# KiCad board PiEEG.kicad_pcb (continued)
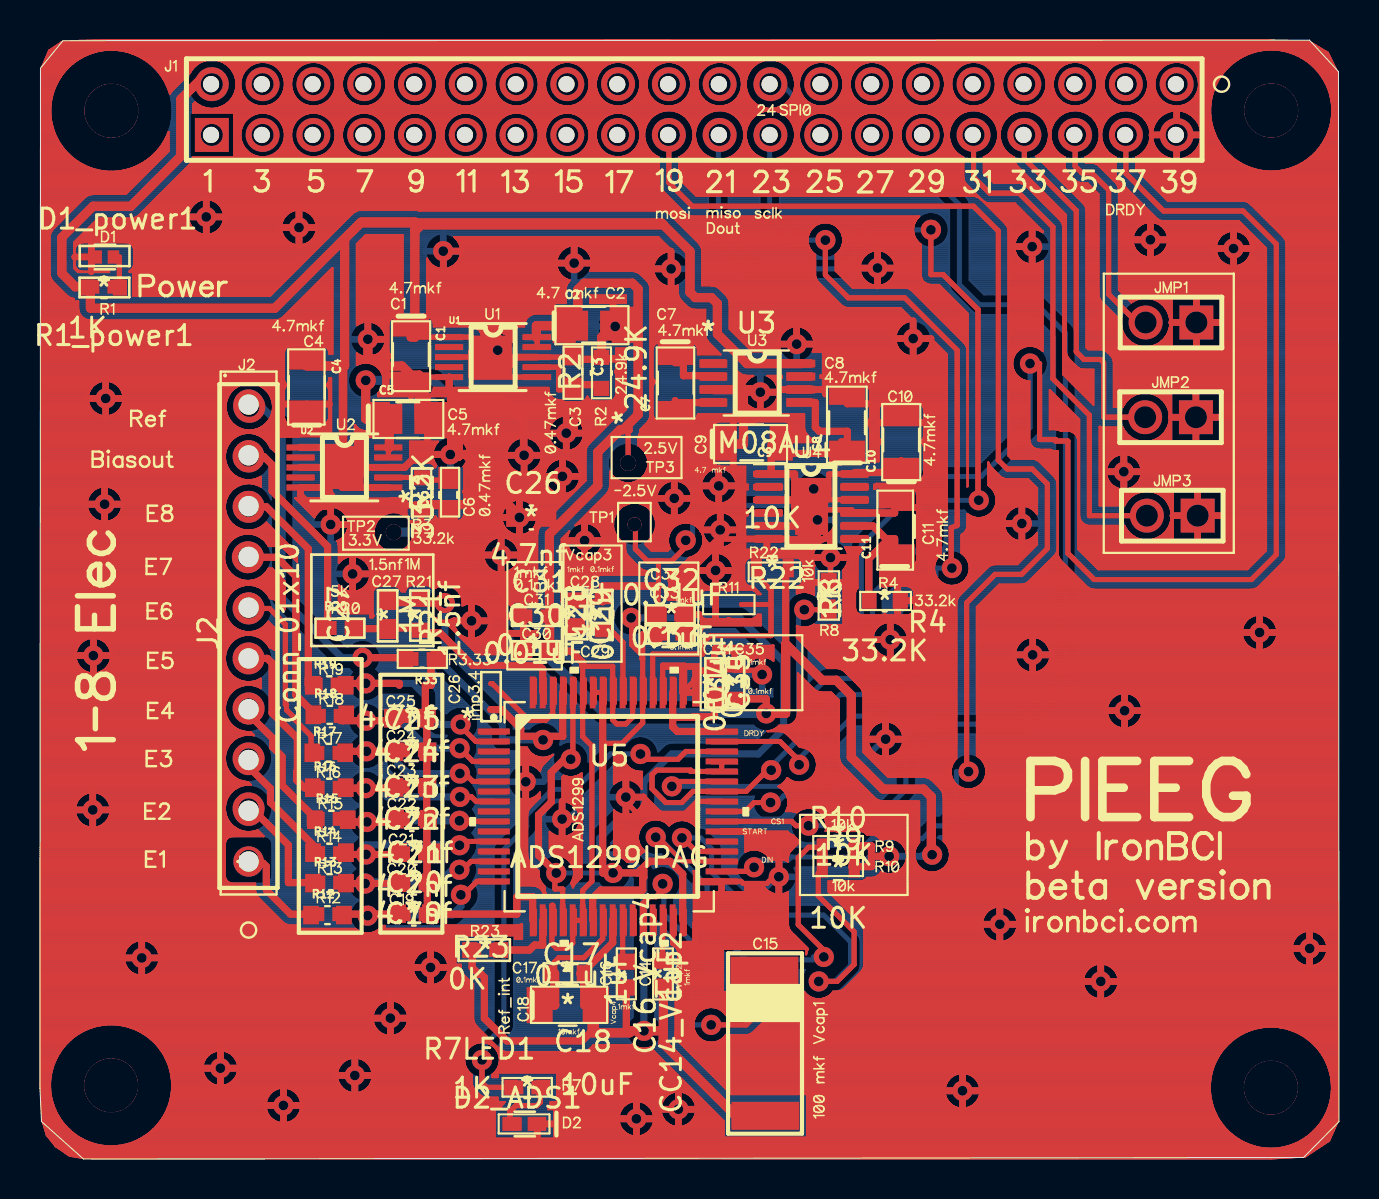
[diagram p0: board, top side]
## Routing (per net, layer and track width the routed paths; a pad name or vN(x,y) marks a point on that pad's centre or on a via; arc(x,y) is an arc through that point) (continued)
16.01,28.46 ; 16.07,28.49 16.01,28.46 ; 39.58,38.81 39.62,38.81 ; 39.58,38.81 39.54,38.8 ; 39.58,38.81 39.62,38.81 ; 39.58,38.81 39.54,38.8 ; 39.62,38.81 40.21,38.81 ; 39.62,38.81 40.21,38.81 ; 24.73,20.19 24.69,20.21 ; 24.73,20.19 24.78,20.16 ; 24.73,20.19 24.78,20.16 ; 24.73,20.19 24.69,20.21 ; 24.69,20.21 24.65,20.24 ; 24.69,20.21 24.65,20.24 ; 21.07,28.16 21.09,28.12 ; 21.07,28.16 21.09,28.12 ; 21.07,28.16 21.05,28.21 ; 21.07,28.16 21.05,28.21 ; 21.09,28.12 21.1,28.07 ; 21.09,28.12 21.1,28.07 ; 18.46,52.7 18.36,52.73 ; 18.46,52.7 18.56,52.68 ; 18.46,52.7 18.36,52.73 ; 18.46,52.7 18.56,52.68 ; 18.36,52.73 18.27,52.77 ; 18.36,52.73 18.27,52.77 ; 29.68,18.91 29.74,18.88 ; 29.68,18.91 29.74,18.88 ; 29.68,18.91 29.61,18.94 ; 29.68,18.91 29.61,18.94 ; 29.74,18.88 29.8,18.85 ; 29.74,18.88 29.8,18.85 ; 34.87,54.47 34.93,54.39 ; 34.87,54.47 34.8,54.54 ; 34.87,54.47 34.8,54.54 ; 34.87,54.47 34.93,54.39 ; 12.31,1.8 12.24,1.79 ; 12.31,1.8 12.24,1.79 ; 12.31,1.8 12.38,1.81 ; 12.31,1.8 12.38,1.81 ; 12.24,1.79 12.17,1.79 ; 12.24,1.79 12.17,1.79 ; 38.69,30.36 38.72,30.43 ; 38.69,30.36 38.67,30.3 ; 38.69,30.36 38.72,30.43 ; 38.69,30.36 38.67,30.3 ; 38.72,30.43 38.74,30.49 ; 38.72,30.43 38.74,30.49 ; 39.33,46.86 39.28,46.86 ; 39.33,46.86 39.28,46.86 ; 51.99,48.84 51.95,48.85 ; 51.99,48.84 52.03,48.83 ; 51.99,48.84 52.03,48.83 ; 51.99,48.84 51.95,48.85 ; 51.95,48.85 51.91,48.86 ; 51.95,48.85 51.91,48.86 ; 47.27,47.87 47.23,47.89 ; 47.27,47.87 47.3,47.85 ; 47.27,47.87 47.3,47.85 ; 47.27,47.87 47.23,47.89 ; 47.23,47.89 47.2,47.91 ; 47.23,47.89 47.2,47.91 ; 56.07,52.19 56.14,52.24 ; 56.07,52.19 56.14,52.24 ; 56.07,52.19 56.01,52.14 ; 56.07,52.19 56.01,52.14 ; 56.14,52.24 56.21,52.28 ; 56.14,52.24 56.21,52.28 ; 61.05,55.46 61.2,55.48 ; 61.05,55.46 60.9,55.43 ; 61.05,55.46 60.9,55.43 ; 61.05,55.46 61.2,55.48 ; 61.2,55.48 61.34,55.5 ; 61.2,55.48 61.34,55.5 ; 35.63,28.47 35.69,28.45 ; 35.63,28.47 35.69,28.45 ; 31.69,52.45 31.79,52.42 ; 31.69,52.45 31.79,52.42 ; 31.79,52.42 31.88,52.39 ; 31.79,52.42 31.88,52.39 ; 38.22,36.66 38.22,37.26 ; 38.22,36.66 38.22,36.57 ; 38.22,36.66 38.22,37.26 ; 38.22,36.66 38.22,36.57 ; 38.22,37.26 36.99,37.26 ; 38.22,37.26 36.99,37.26 ; 29.64,5.72 29.58,5.71 ; 29.64,5.72 29.58,5.71 ; 29.64,5.72 29.7,5.68 ; 29.64,5.72 29.7,5.68 ; 29.58,5.71 29.54,5.71 ; 29.58,5.71 29.54,5.71 ; 25.15,19.71 25.21,19.78 ; 25.15,19.71 25.12,19.68 ; 25.15,19.71 25.21,19.78 ; 25.15,19.71 25.12,19.68 ; 25.21,19.78 25.66,20.23 ; 25.21,19.78 25.66,20.23 ; 62.71,10.14 62.68,10.2 ; 62.71,10.14 62.74,10.07 ; 62.71,10.14 62.74,10.07 ; 62.71,10.14 62.68,10.2 ; 62.68,10.2 62.65,10.27 ; 62.68,10.2 62.65,10.27 ; 54.85,40.7 54.95,40.67 ; 54.85,40.7 54.95,40.67 ; 19.74,50.71 19.69,50.62 ; 19.74,50.71 19.78,50.8 ; 19.74,50.71 19.69,50.62 ; 19.74,50.71 19.78,50.8 ; 19.69,50.62 19.63,50.54 ; 19.69,50.62 19.63,50.54 ; 26.09,27.89 26.11,27.89 ; 26.09,27.89 26.09,31.02 ; 26.09,27.89 26.11,27.89 ; 26.09,27.89 26.09,31.02 ; 26.11,27.89 26.11,28.32 ; 26.11,27.89 26.11,28.32 ; 17.11,6.26 17.05,6.29 ; 17.11,6.26 17.05,6.29 ; 17.11,6.26 17.18,6.23 ; 17.11,6.26 17.18,6.23 ; 17.05,6.29 17,6.33 ; 17.05,6.29 17,6.33 ; 54.22,35.28 54.29,35.27 ; 54.22,35.28 54.29,35.27 ; 54.29,35.27 54.36,35.26 ; 54.29,35.27 54.36,35.26 ; 2.6,37.48 2.56,37.53 ; 2.6,37.48 2.65,37.42 ; 2.6,37.48 2.65,37.42 ; 2.6,37.48 2.56,37.53 ; 33.98,50 33.88,50.01 ; 33.98,50 33.88,50.01 ; 33.98,50 34.08,50 ; 33.98,50 34.08,50 ; 33.88,50.01 33.78,50.02 ; 33.88,50.01 33.78,50.02 ; 50,35.49 49.96,35.49 ; 50,35.49 50.3,35.49 ; 50,35.49 50.3,35.49 ; 50,35.49 49.96,35.49 ; 49.96,35.49 49.92,35.49 ; 49.96,35.49 49.92,35.49 ; 14.45,37.01 14.44,36.98 ; 14.45,37.01 14.46,37.05 ; 14.45,37.01 14.44,36.98 ; 14.45,37.01 14.46,37.05 ; 14.44,36.98 14.42,36.94 ; 14.44,36.98 14.42,36.94 ; 37.54,15.41 37.6,15.48 ; 37.54,15.41 37.51,15.38 ; 37.54,15.41 37.6,15.48 ; 37.54,15.41 37.51,15.38 ; 37.6,15.48 38.02,15.89 ; 37.6,15.48 38.02,15.89 ; 45.6,19.09 45.59,19.13 ; 45.6,19.09 45.62,19.04 ; 45.6,19.09 45.62,19.04 ; 45.6,19.09 45.59,19.13 ; 45.59,19.13 45.58,19.18 ; 45.59,19.13 45.58,19.18 ; 39.47,54.82 39.56,54.78 ; 39.47,54.82 39.37,54.85 ; 39.47,54.82 39.56,54.78 ; 39.47,54.82 39.37,54.85 ; 39.56,54.78 39.65,54.73 ; 39.56,54.78 39.65,54.73 ; 53.91,48.71 53.93,48.68 ; 53.91,48.71 53.89,48.75 ; 53.91,48.71 53.93,48.68 ; 53.91,48.71 53.89,48.75 ; 53.93,48.68 53.94,48.64 ; 53.93,48.68 53.94,48.64 ; 54.61,52.7 54.51,52.68 ; 54.61,52.7 54.51,52.68 ; 54.51,52.68 54.42,52.66 ; 54.51,52.68 54.42,52.66 ; 18.66,9.45 18.65,9.52 ; 18.66,9.45 18.67,9.38 ; 18.66,9.45 18.67,9.38 ; 18.66,9.45 18.65,9.52 ; 18.65,9.52 18.65,9.59 ; 18.65,9.52 18.65,9.59 ; 41.23,16.35 41.28,16.31 ; 41.23,16.35 41.18,16.38 ; 41.23,16.35 41.18,16.38 ; 41.23,16.35 41.28,16.31 ; 41.28,16.31 41.32,16.27 ; 41.28,16.31 41.32,16.27 ; 0.57,4.34 0.61,4.49 ; 0.57,4.34 0.61,4.49 ; 0.57,4.34 0.54,4.19 ; 0.57,4.34 0.54,4.19 ; 0.61,4.49 0.65,4.63 ; 0.61,4.49 0.65,4.63 ; 33.02,6.01 32.98,6.05 ; 33.02,6.01 33.06,5.98 ; 33.02,6.01 32.98,6.05 ; 33.02,6.01 33.06,5.98 ; 32.98,6.05 32.94,6.08 ; 32.98,6.05 32.94,6.08 ; 22.73,31.05 22.8,31.07 ; 22.73,31.05 22.67,31.02 ; 22.73,31.05 22.67,31.02 ; 22.73,31.05 22.8,31.07 ; 22.8,31.07 22.86,31.09 ; 22.8,31.07 22.86,31.09 ; 47.11,32.08 47.06,32.07 ; 47.11,32.08 47.06,32.07 ; 21.73,6.79 21.71,6.83 ; 21.73,6.79 21.71,6.83 ; 14.57,33.55 14.56,33.65 ; 14.57,33.55 14.57,33.51 ; 14.57,33.55 14.56,33.65 ; 14.57,33.55 14.57,33.51 ; 14.56,33.65 14.56,34.04 ; 14.56,33.65 14.56,34.04 ; 41.37,45.3 41.43,45.34 ; 41.37,45.3 41.43,45.34 ; 41.37,45.3 41.32,45.26 ; 41.37,45.3 41.32,45.26 ; 41.43,45.34 41.49,45.37 ; 41.43,45.34 41.49,45.37 ; 13.19,52.24 13.28,52.28 ; 13.19,52.24 13.1,52.19 ; 13.19,52.24 13.28,52.28 ; 13.19,52.24 13.1,52.19 ; 13.28,52.28 13.38,52.31 ; 13.28,52.28 13.38,52.31 ; 36.37,52.46 36.47,52.47 ; 36.37,52.46 36.47,52.47 ; 36.47,52.47 36.57,52.47 ; 36.47,52.47 36.57,52.47 ; 38.78,52.7 38.68,52.73 ; 38.78,52.7 38.68,52.73 ; 38.78,52.7 38.88,52.68 ; 38.78,52.7 38.88,52.68 ; 38.68,52.73 38.59,52.77 ; 38.68,52.73 38.59,52.77 ; 41.53,20.55 41.5,20.61 ; 41.53,20.55 41.5,20.61 ; 41.53,20.55 41.57,20.49 ; 41.53,20.55 41.57,20.49 ; 41.5,20.61 41.47,20.67 ; 41.5,20.61 41.47,20.67 ; 32.9,37.26 32.9,37.2 ; 32.9,37.26 34.76,37.26 ; 32.9,37.26 34.76,37.26 ; 32.9,37.26 32.9,37.2 ; 32.9,37.2 32.88,37.14 ; 32.9,37.2 32.88,37.14 ; 39.25,8.04 39.2,8.03 ; 39.25,8.04 39.29,8.06 ; 39.25,8.04 39.2,8.03 ; 39.25,8.04 39.29,8.06 ; 39.2,8.03 39.15,8.02 ; 39.2,8.03 39.15,8.02 ; 17.16,39.16 17.17,39.11 ; 17.16,39.16 17.15,39.21 ; 17.16,39.16 17.15,39.21 ; 17.16,39.16 17.17,39.11 ; 17.17,39.11 17.18,39.06 ; 17.17,39.11 17.18,39.06 ; 42.67,14.28 42.62,14.27 ; 42.67,14.28 42.62,14.27 ; 42.67,14.28 42.72,14.29 ; 42.67,14.28 42.72,14.29 ; 42.62,14.27 42.57,14.26 ; 42.62,14.27 42.57,14.26 ; 10.74,31.48 10.64,31.46 ; 10.74,31.48 10.64,31.46 ; 10.74,31.48 10.84,31.51 ; 10.74,31.48 10.84,31.51 ; 10.64,31.46 10.54,31.45 ; 10.64,31.46 10.54,31.45 ; 32.72,6.46 32.7,6.51 ; 32.72,6.46 32.7,6.51 ; 32.72,6.46 32.73,6.41 ; 32.72,6.46 32.73,6.41 ; 32.7,6.51 32.69,6.56 ; 32.7,6.51 32.69,6.56 ; 13.68,52.35 13.78,52.34 ; 13.68,52.35 13.58,52.34 ; 13.68,52.35 13.58,52.34 ; 13.68,52.35 13.78,52.34 ; 13.78,52.34 13.87,52.33 ; 13.78,52.34 13.87,52.33 ; 10.75,26.19 10.85,26.15 ; 10.75,26.19 10.85,26.15 ; 10.75,26.19 10.65,26.21 ; 10.75,26.19 10.65,26.21 ; 10.85,26.15 10.94,26.12 ; 10.85,26.15 10.94,26.12 ; 30.42,35.01 30.42,34.95 ; 30.42,35.01 30.42,34.95 ; 30.42,34.95 30.42,34.67 ; 30.42,34.95 30.42,34.67 ; 33.82,36.85 33.85,36.87 ; 33.82,36.85 33.85,36.87 ; 20.41,9.79 20.42,9.72 ; 20.41,9.79 20.39,9.86 ; 20.41,9.79 20.42,9.72 ; 20.41,9.79 20.39,9.86 ; 20.42,9.72 20.43,9.65 ; 20.42,9.72 20.43,9.65 ; 60.65,25.52 60.59,25.55 ; 60.65,25.52 60.72,25.5 ; 60.65,25.52 60.72,25.5 ; 60.65,25.52 60.59,25.55 ; 60.59,25.55 60.53,25.59 ; 60.59,25.55 60.53,25.59 ; 30.24,16.8 30.28,16.83 ; 30.24,16.8 30.2,16.77 ; 30.24,16.8 30.28,16.83 ; 30.24,16.8 30.2,16.77 ; 30.28,16.83 30.32,16.86 ; 30.28,16.83 30.32,16.86 ; 48.24,32 48.26,32.07 ; 48.24,32 48.26,32.07 ; 19.72,26.93 19.72,26.89 ; 19.72,26.93 19.72,27.06 ; 19.72,26.93 19.72,27.06 ; 19.72,26.93 19.72,26.89 ; 19.72,26.89 20.01,26.89 ; 19.72,26.89 20.01,26.89 ; 47.46,34.77 47.45,34.81 ; 47.46,34.77 47.48,34.73 ; 47.46,34.77 47.45,34.81 ; 47.46,34.77 47.48,34.73 ; 47.45,34.81 47.44,34.85 ; 47.45,34.81 47.44,34.85 ; 40.77,28.31 40.78,28.37 ; 40.77,28.31 40.78,28.37 ; 40.77,28.31 40.77,27.68 ; 40.77,28.31 40.77,27.68 ; 40.78,28.37 40.8,28.43 ; 40.78,28.37 40.8,28.43 ; 46.59,18.5 46.55,18.5 ; 46.59,18.5 46.64,18.51 ; 46.59,18.5 46.64,18.51 ; 46.59,18.5 46.55,18.5 ; 46.55,18.5 46.5,18.49 ; 46.55,18.5 46.5,18.49 ; 49.79,32.38 49.83,32.32 ; 49.79,32.38 49.83,32.32 ; 49.79,32.38 49.74,32.43 ; 49.79,32.38 49.74,32.43 ; 49.83,32.32 49.87,32.26 ; 49.83,32.32 49.87,32.26 ; 32.75,7.05 32.77,7.1 ; 32.75,7.05 32.73,7 ; 32.75,7.05 32.73,7 ; 32.75,7.05 32.77,7.1 ; 32.77,7.1 32.79,7.14 ; 32.77,7.1 32.79,7.14 ; 10.65,52.77 10.56,52.82 ; 10.65,52.77 10.56,52.82 ; 10.65,52.77 10.74,52.73 ; 10.65,52.77 10.74,52.73 ; 10.56,52.82 10.48,52.87 ; 10.56,52.82 10.48,52.87 ; 10.01,33.73 10.11,33.77 ; 10.01,33.73 10.11,33.77 ; 10.01,33.73 9.92,33.7 ; 10.01,33.73 9.92,33.7 ; 10.11,33.77 10.21,33.79 ; 10.11,33.77 10.21,33.79 ; 10.1,23.91 10,23.94 ; 10.1,23.91 10.2,23.88 ; 10.1,23.91 10.2,23.88 ; 10.1,23.91 10,23.94 ; 10,23.94 9.91,23.98 ; 10,23.94 9.91,23.98 ; 54.74,35.1 54.8,35.06 ; 54.74,35.1 54.8,35.06 ; 54.74,35.1 54.68,35.14 ; 54.74,35.1 54.68,35.14 ; 54.8,35.06 54.85,35.01 ; 54.8,35.06 54.85,35.01 ; 37.01,50.1 36.92,50.06 ; 37.01,50.1 37.1,50.14 ; 37.01,50.1 36.92,50.06 ; 37.01,50.1 37.1,50.14 ; 26.6,19.11 26.55,19.11 ; 26.6,19.11 26.65,19.11 ; 26.6,19.11 26.65,19.11 ; 26.6,19.11 26.55,19.11 ; 26.55,19.11 26.5,19.11 ; 26.55,19.11 26.5,19.11 ; 15.53,3.32 15.46,3.34 ; 15.53,3.32 15.6,3.3 ; 15.53,3.32 15.6,3.3 ; 15.53,3.32 15.46,3.34 ; 15.46,3.34 15.4,3.36 ; 15.46,3.34 15.4,3.36 ; 5.94,54.37 6.03,54.25 ; 5.94,54.37 6.03,54.25 ; 5.94,54.37 5.84,54.49 ; 5.94,54.37 5.84,54.49 ; 6.03,54.25 6.12,54.13 ; 6.03,54.25 6.12,54.13 ; 42.31,27.23 42.27,27.24 ; 42.31,27.23 42.27,27.24 ; 42.27,27.24 42.26,27.25 ; 42.27,27.24 42.26,27.25 ; 12.16,47.01 12.2,47.07 ; 12.16,47.01 12.13,46.95 ; 12.16,47.01 12.2,47.07 ; 12.16,47.01 12.13,46.95 ; 12.2,47.07 12.24,47.13 ; 12.2,47.07 12.24,47.13 ; 44.06,52.34 44.16,52.35 ; 44.06,52.34 44.16,52.35 ; 44.06,52.34 43.96,52.33 ; 44.06,52.34 43.96,52.33 ; 44.16,52.35 44.26,52.34 ; 44.16,52.35 44.26,52.34 ; 25.1,35.27 25.11,35.21 ; 25.1,35.27 25.1,35.34 ; 25.1,35.27 25.11,35.21 ; 25.1,35.27 25.1,35.34 ; 25.11,35.21 25.11,35.2 ; 25.11,35.21 25.11,35.2 ; 30.82,36.96 30.77,37 ; 30.82,36.96 30.77,37 ; 30.77,37 30.73,37.04 ; 30.77,37 30.73,37.04 ; 42.2,37.84 42.24,37.86 ; 42.2,37.84 42.16,37.83 ; 42.2,37.84 42.24,37.86 ; 42.2,37.84 42.16,37.83 ; 42.24,37.86 42.28,37.86 ; 42.24,37.86 42.28,37.86 ; 36.84,21.56 36.8,21.54 ; 36.84,21.56 36.8,21.54 ; 36.84,21.56 36.88,21.59 ; 36.84,21.56 36.88,21.59 ; 36.8,21.54 36.76,21.51 ; 36.8,21.54 36.76,21.51 ; 25.46,34.74 25.51,34.79 ; 25.46,34.74 25.42,34.68 ; 25.46,34.74 25.42,34.68 ; 25.46,34.74 25.51,34.79 ; 25.51,34.79 25.56,34.84 ; 25.51,34.79 25.56,34.84 ; 38.78,50.16 38.68,50.19 ; 38.78,50.16 38.68,50.19 ; 38.78,50.16 38.88,50.14 ; 38.78,50.16 38.88,50.14 ; 38.68,50.19 38.59,50.23 ; 38.68,50.19 38.59,50.23 ; 43.86,33.38 43.87,33.34 ; 43.86,33.38 43.87,33.34 ; 34.04,7.47 34.09,7.44 ; 34.04,7.47 34.09,7.44 ; 34.04,7.47 34,7.49 ; 34.04,7.47 34,7.49 ; 34.09,7.44 34.13,7.41 ; 34.09,7.44 34.13,7.41 ; 31.14,17.35 31.11,17.36 ; 31.14,17.35 31.18,17.34 ; 31.14,17.35 31.11,17.36 ; 31.14,17.35 31.18,17.34 ; 31.11,17.36 31.07,17.38 ; 31.11,17.36 31.07,17.38 ; 26.93,34.55 26.96,34.49 ; 26.93,34.55 26.96,34.49 ; 26.93,34.55 26.9,34.61 ; 26.93,34.55 26.9,34.61 ; 42.19,54.73 42.27,54.67 ; 42.19,54.73 42.27,54.67 ; 42.27,54.67 42.35,54.61 ; 42.27,54.67 42.35,54.61 ; 42.06,35.92 42.03,35.95 ; 42.06,35.92 42.09,35.89 ; 42.06,35.92 42.09,35.89 ; 42.06,35.92 42.03,35.95 ; 10.21,54.39 10.26,54.47 ; 10.21,54.39 10.15,54.3 ; 10.21,54.39 10.15,54.3 ; 10.21,54.39 10.26,54.47 ; 10.26,54.47 10.33,54.54 ; 10.26,54.47 10.33,54.54 ; 29.98,54.12 30,54.02 ; 29.98,54.12 29.94,54.21 ; 29.98,54.12 29.94,54.21 ; 29.98,54.12 30,54.02 ; 30,54.02 30.02,53.92 ; 30,54.02 30.02,53.92 ; 20.97,28.34 21,28.29 ; 20.97,28.34 21,28.29 ; 21,28.29 21.03,28.25 ; 21,28.29 21.03,28.25 ; 31.26,3.08 31.31,3.13 ; 31.26,3.08 31.31,3.13 ; 31.26,3.08 31.22,3.02 ; 31.26,3.08 31.22,3.02 ; 31.31,3.13 31.36,3.17 ; 31.31,3.13 31.36,3.17 ; 38.72,40.6 38.71,40.53 ; 38.72,40.6 38.73,40.67 ; 38.72,40.6 38.73,40.67 ; 38.72,40.6 38.71,40.53 ; 38.71,40.53 38.69,40.47 ; 38.71,40.53 38.69,40.47 ; 4.46,10.7 4.52,10.74 ; 4.46,10.7 4.52,10.74 ; 4.46,10.7 4.42,10.65 ; 4.46,10.7 4.42,10.65 ; 4.52,10.74 4.57,10.79 ; 4.52,10.74 4.57,10.79 ; 43.17,15.71 43.2,15.67 ; 43.17,15.71 43.2,15.67 ; 43.17,15.71 43.14,15.74 ; 43.17,15.71 43.14,15.74 ; 43.2,15.67 43.23,15.62 ; 43.2,15.67 43.23,15.62 ; 0.12,54.65 0.07,52.39 ; 0.12,54.65 0.46,55.46 ; 0.12,54.65 0.07,52.39 ; 0.12,54.65 0.46,55.46 ; 0.07,52.39 0.03,3.77 ; 0.07,52.39 0.03,3.77 ; 16.53,29.23 16.52,29.16 ; 16.53,29.23 16.53,29.3 ; 16.53,29.23 16.52,29.16 ; 16.53,29.23 16.53,29.3 ; 16.52,29.16 16.51,29.09 ; 16.52,29.16 16.51,29.09 ; 46.26,31.36 46.24,31.33 ; 46.26,31.36 46.29,31.39 ; 46.26,31.36 46.29,31.39 ; 46.26,31.36 46.24,31.33 ; 46.24,31.33 46.21,31.31 ; 46.24,31.33 46.21,31.31 ; 25.81,37.04 25.86,37.08 ; 25.81,37.04 25.86,37.08 ; 25.81,37.04 25.75,37 ; 25.81,37.04 25.75,37 ; 25.86,37.08 25.93,37.11 ; 25.86,37.08 25.93,37.11 ; 25.89,52.77 25.8,52.82 ; 25.89,52.77 25.98,52.73 ; 25.89,52.77 25.98,52.73 ; 25.89,52.77 25.8,52.82 ; 25.8,52.82 25.72,52.87 ; 25.8,52.82 25.72,52.87 ; 33.11,45.55 33.12,45.5 ; 33.11,45.55 33.12,45.5 ; 33.11,45.55 33.09,45.6 ; 33.11,45.55 33.09,45.6 ; 33.12,45.5 33.12,45.46 ; 33.12,45.5 33.12,45.46 ; 44.53,40.78 44.5,40.71 ; 44.53,40.78 44.5,40.71 ; 44.53,40.78 44.55,40.85 ; 44.53,40.78 44.55,40.85 ; 44.5,40.71 44.48,40.65 ; 44.5,40.71 44.48,40.65 ; 24.57,17.65 25.01,18.09 ; 24.57,17.65 25.01,18.09 ; 24.57,17.65 24.51,17.58 ; 24.57,17.65 24.51,17.58 ; 25.01,18.09 25.01,18.34 ; 25.01,18.09 25.01,18.34 ; 38.35,31.27 38.3,31.31 ; 38.35,31.27 38.3,31.31 ; 55.01,21.96 54.97,21.9 ; 55.01,21.96 55.04,22.02 ; 55.01,21.96 54.97,21.9 ; 55.01,21.96 55.04,22.02 ; 54.97,21.9 54.92,21.84 ; 54.97,21.9 54.92,21.84 ; 42.18,15.99 42.22,16 ; 42.18,15.99 42.22,16 ; 42.18,15.99 42.13,15.97 ; 42.18,15.99 42.13,15.97 ; 42.22,16 42.27,16.02 ; 42.22,16 42.27,16.02 ; 7.63,46.56 7.68,46.51 ; 7.63,46.56 7.68,46.51 ; 22.49,30.9 22.44,30.86 ; 22.49,30.9 22.44,30.86 ; 37.6,53.15 37.55,53.07 ; 37.6,53.15 37.65,53.24 ; 37.6,53.15 37.55,53.07 ; 37.6,53.15 37.65,53.24 ; 37.55,53.07 37.49,52.99 ; 37.55,53.07 37.49,52.99 ; 29.07,1.55 29.03,1.61 ; 29.07,1.55 29.03,1.61 ; 29.03,1.61 29,1.68 ; 29.03,1.61 29,1.68 ; 15.92,52.31 16.02,52.33 ; 15.92,52.31 15.82,52.28 ; 15.92,52.31 16.02,52.33 ; 15.92,52.31 15.82,52.28 ; 16.02,52.33 16.12,52.34 ; 16.02,52.33 16.12,52.34 ; 31.6,31.51 31.63,31.55 ; 31.6,31.51 31.57,31.47 ; 31.6,31.51 31.57,31.47 ; 31.6,31.51 31.63,31.55 ; 31.63,31.55 31.67,31.58 ; 31.63,31.55 31.67,31.58 ; 22.22,41.04 22.26,41.09 ; 22.22,41.04 22.26,41.09 ; 22.22,41.04 22.17,40.99 ; 22.22,41.04 22.17,40.99 ; 22.26,41.09 22.31,41.14 ; 22.26,41.09 22.31,41.14 ; 53.44,53.08 53.39,53.16 ; 53.44,53.08 53.39,53.16 ; 53.39,53.16 53.33,53.25 ; 53.39,53.16 53.33,53.25 ; 41.81,26.51 41.85,26.57 ; 41.81,26.51 41.77,26.45 ; 41.81,26.51 41.85,26.57 ; 41.81,26.51 41.77,26.45 ; 41.85,26.57 41.9,26.62 ; 41.85,26.57 41.9,26.62 ; 60.27,44.87 60.22,44.83 ; 60.27,44.87 60.32,44.92 ; 60.27,44.87 60.22,44.83 ; 60.27,44.87 60.32,44.92 ; 60.22,44.83 60.16,44.79 ; 60.22,44.83 60.16,44.79 ; 14.73,50.89 14.7,50.8 ; 14.73,50.89 14.76,50.99 ; 14.73,50.89 14.7,50.8 ; 14.73,50.89 14.76,50.99 ; 14.7,50.8 14.66,50.71 ; 14.7,50.8 14.66,50.71 ; 2.01,44.41 1.97,44.42 ; 2.01,44.41 2.05,44.4 ; 2.01,44.41 1.97,44.42 ; 2.01,44.41 2.05,44.4 ; 14.76,53.53 14.73,53.43 ; 14.76,53.53 14.78,53.62 ; 14.76,53.53 14.78,53.62 ; 14.76,53.53 14.73,53.43 ; 14.73,53.43 14.7,53.34 ; 14.73,53.43 14.7,53.34 ; 13.19,54.78 13.28,54.82 ; 13.19,54.78 13.28,54.82 ; 13.19,54.78 13.1,54.73 ; 13.19,54.78 13.1,54.73 ; 13.28,54.82 13.38,54.85 ; 13.28,54.82 13.38,54.85 ; 52.18,9.03 52.19,9.1 ; 52.18,9.03 52.19,9.1 ; 48.36,53.08 48.31,53.16 ; 48.36,53.08 48.43,53 ; 48.36,53.08 48.31,53.16 ; 48.36,53.08 48.43,53 ; 48.31,53.16 48.25,53.25 ; 48.31,53.16 48.25,53.25 ; 10.15,18.9 10.05,18.92 ; 10.15,18.9 10.25,18.88 ; 10.15,18.9 10.25,18.88 ; 10.15,18.9 10.05,18.92 ; 10.05,18.92 9.96,18.96 ; 10.05,18.92 9.96,18.96 ; 29.72,50.46 29.65,50.4 ; 29.72,50.46 29.65,50.4 ; 29.72,50.46 29.79,50.54 ; 29.72,50.46 29.79,50.54 ; 29.65,50.4 29.57,50.33 ; 29.65,50.4 29.57,50.33 ; 8.55,3.79 8.49,3.83 ; 8.55,3.79 8.49,3.83 ; 8.49,3.83 8.44,3.87 ; 8.49,3.83 8.44,3.87 ; 36.47,25.06 36.53,25.03 ; 36.47,25.06 36.53,25.03 ; 3.51,17.67 3.52,17.6 ; 3.51,17.67 3.52,17.6 ; 3.51,17.67 3.49,17.74 ; 3.51,17.67 3.49,17.74 ; 3.52,17.6 3.53,17.53 ; 3.52,17.6 3.53,17.53 ; 11.64,28.03 11.68,28.02 ; 11.64,28.03 11.68,28.02 ; 11.64,28.03 11.6,28.04 ; 11.64,28.03 11.6,28.04 ; 11.68,28.02 11.71,28 ; 11.68,28.02 11.71,28 ; 42.82,41.31 42.85,41.38 ; 42.82,41.31 42.85,41.38 ; 42.82,41.31 42.81,41.24 ; 42.82,41.31 42.81,41.24 ; 42.85,41.38 42.88,41.44 ; 42.85,41.38 42.88,41.44 ; 39.55,8.22 39.51,8.19 ; 39.55,8.22 39.58,8.26 ; 39.55,8.22 39.58,8.26 ; 39.55,8.22 39.51,8.19 ; 39.51,8.19 39.47,8.16 ; 39.51,8.19 39.47,8.16 ; 43.9,47.08 43.93,47.12 ; 43.9,47.08 43.93,47.12 ; 43.9,47.08 43.87,47.04 ; 43.9,47.08 43.87,47.04 ; 43.93,47.12 43.98,47.16 ; 43.93,47.12 43.98,47.16 ; 41.81,50.14 41.72,50.12 ; 41.81,50.14 41.72,50.12 ; 41.81,50.14 41.91,50.16 ; 41.81,50.14 41.91,50.16 ; 41.72,50.12 41.62,50.12 ; 41.72,50.12 41.62,50.12 ; 43.74,15.07 43.74,15.12 ; 43.74,15.07 43.74,15.12 ; 43.74,15.07 43.75,15.02 ; 43.74,15.07 43.75,15.02 ; 43.74,15.12 43.73,15.17 ; 43.74,15.12 43.73,15.17 ; 10.26,50.54 10.21,50.62 ; 10.26,50.54 10.33,50.46 ; 10.26,50.54 10.33,50.46 ; 10.26,50.54 10.21,50.62 ; 10.21,50.62 10.15,50.71 ; 10.21,50.62 10.15,50.71 ; 46.48,29.77 46.49,29.72 ; 46.48,29.77 46.49,29.72 ; 46.49,29.72 46.5,29.67 ; 46.49,29.72 46.5,29.67 ; 26.9,30.11 26.97,30.09 ; 26.9,30.11 26.97,30.09 ; 37.42,50.38 37.49,50.45 ; 37.42,50.38 37.49,50.45 ; 44.15,14.47 44.11,14.5 ; 44.15,14.47 44.19,14.44 ; 44.15,14.47 44.19,14.44 ; 44.15,14.47 44.11,14.5 ; 44.11,14.5 44.07,14.53 ; 44.11,14.5 44.07,14.53 ; 29.27,30.79 29.17,30.83 ; 29.27,30.79 29.17,30.83 ; 29.27,30.79 29.27,30.57 ; 29.27,30.79 29.27,30.57 ; 29.17,30.83 29.12,30.86 ; 29.17,30.83 29.12,30.86 ; 4.69,45.57 4.7,45.51 ; 4.69,45.57 4.67,45.63 ; 4.69,45.57 4.67,45.63 ; 4.69,45.57 4.7,45.51 ; 4.7,45.51 4.7,45.38 ; 4.7,45.51 4.7,45.38 ; 29.04,2.42 29.08,2.48 ; 29.04,2.42 29.08,2.48 ; 29.04,2.42 29.01,2.36 ; 29.04,2.42 29.01,2.36 ; 29.08,2.48 29.11,2.54 ; 29.08,2.48 29.11,2.54 ; 13.38,52.31 13.48,52.33 ; 13.38,52.31 13.48,52.33 ; 38.46,46.31 38.48,46.36 ; 38.46,46.31 38.44,46.26 ; 38.46,46.31 38.44,46.26 ; 38.46,46.31 38.48,46.36 ; 38.48,46.36 38.5,46.4 ; 38.48,46.36 38.5,46.4 ; 10.67,31.26 10.76,31.23 ; 10.67,31.26 10.57,31.28 ; 10.67,31.26 10.57,31.28 ; 10.67,31.26 10.76,31.23 ; 10.76,31.23 10.86,31.2 ; 10.76,31.23 10.86,31.2 ; 3.56,25.18 3.56,25.11 ; 3.56,25.18 3.56,25.19 ; 3.56,25.18 3.56,25.11 ; 3.56,25.18 3.56,25.19 ; 3.56,25.11 3.55,25.04 ; 3.56,25.11 3.55,25.04 ; 46.29,31.39 46.31,31.43 ; 46.29,31.39 46.31,31.43 ; 56,40.83 55.91,40.78 ; 56,40.83 56.08,40.89 ; 56,40.83 56.08,40.89 ; 56,40.83 55.91,40.78 ; 55.91,40.78 55.82,40.73 ; 55.91,40.78 55.82,40.73 ; 56.04,46.94 56.01,46.96 ; 56.04,46.94 56.08,46.93 ; 56.04,46.94 56.08,46.93 ; 56.04,46.94 56.01,46.96 ; 56.01,46.96 55.97,46.97 ; 56.01,46.96 55.97,46.97 ; 31.31,32.26 31.25,32.3 ; 31.31,32.26 31.38,32.23 ; 31.31,32.26 31.38,32.23 ; 31.31,32.26 31.25,32.3 ; 31.25,32.3 31.19,32.34 ; 31.25,32.3 31.19,32.34 ; 34.31,28.72 34.25,28.68 ; 34.31,28.72 34.36,28.76 ; 34.31,28.72 